# KiCad board RUSP_Mainboard_panelMockup.kicad_pcb (continued)
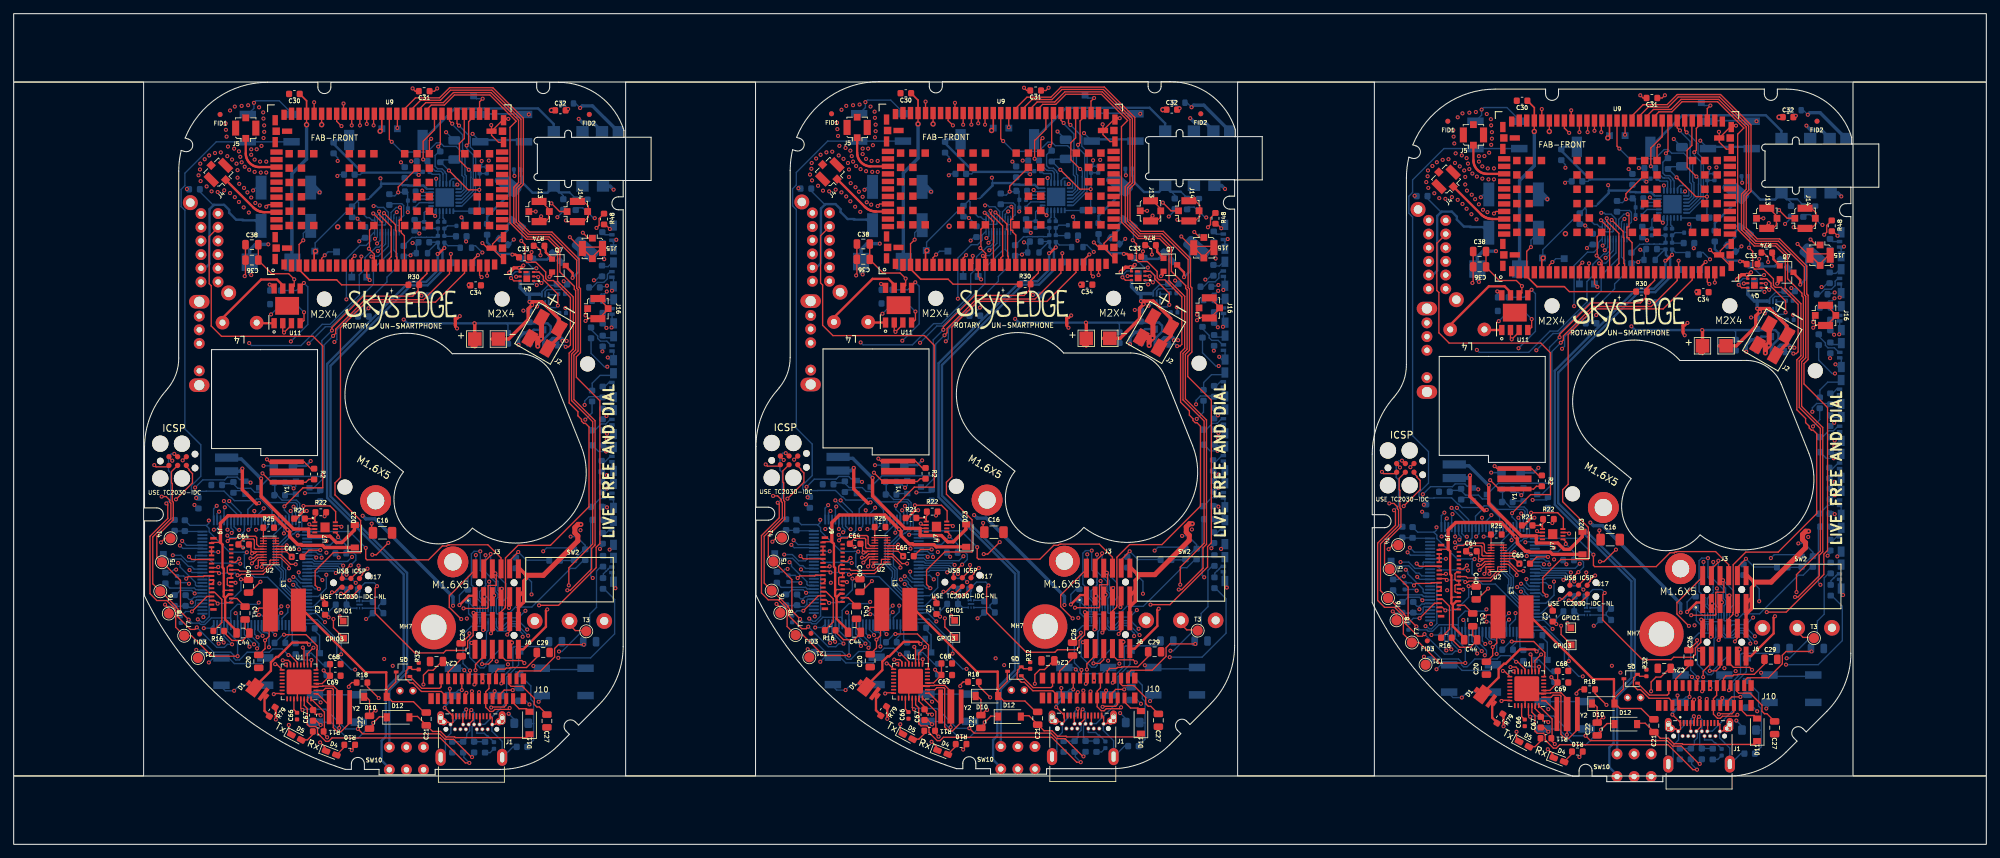
[diagram p0: board, top side]
## Library data of the parts (continued)
C20 C20#2 C20#3 C21 C21#2 C21#3 C22 C22#2 C22#3 = -: Mfg. Name: Samsung; Mfg. Part No.: CL21A475KBQNNNE
C23 C23#2 C23#3 C24 C24#2 C24#3 C25 C25#2 C25#3 C26 C26#2 C26#3 C27 C27#2 C27#3 C28 C28#2 C28#3 C29 C29#2 C29#3 = -: Mfg. Name: Yageo; Mfg. Part No.: CC0805KKX7R9BB105
C30 C30#2 C30#3 = -: Mfg. Name: Murata; Mfg. Part No.: GRM1555C1H680JA01J
C32 C32#2 C32#3 = -: Mfg. Name: Yageo; Mfg. Part No.: CC0402DRNPO9BN8R2
C35 C35#2 C35#3 = -: Mfg. Name: Kemet; Mfg. Part No.: T520D337M006ATE045
C36 C36#2 C36#3 C38 C38#2 C38#3 C40 C40#2 C40#3 = -: Mfg. Name: Kemet; Mfg. Part No.: C0805C105K4RACTU
C37 C37#2 C37#3 = -: Mfg. Name: Wurth; Mfg. Part No.: 865080243007
C41 C41#2 C41#3 C44 C44#2 C44#3 = -: Mfg. Name: Kemet; Mfg. Part No.: C0805C475K3PACTU
C43 C43#2 C43#3 C45 C45#2 C45#3 C51 C51#2 C51#3 C52 C52#2 C52#3 C53 C53#2 C53#3 C55 C55#2 C55#3 C58 C58#2 C58#3 C59 C59#2 C59#3 C66 C66#2 C66#3 = -: Mfg. Name: Kemet; Mfg. Part No.: C0402C105K9PACTU
C50 C50#2 C50#3 C54 C54#2 C54#3 = -: Mfg. Name: Kemet; Mfg. Part No.: C0603C225K9PACTU
D1 D1#2 D1#3 = -: Color: WHITE; Mfg. Name: Osram; Mfg. Part No.: KW DSLP31.CC-GXHX-4J8K-Z444-60-R18
D2 D2#2 D2#3 = -: Color: AMBER; Distrib Part No.: 1830-1066-1-ND; Distrib. Name: DigiKey; Mfg. Name: Inolux; Mfg. Part No.: IN-S63AT5Y
D3 D3#2 D3#3 = -: Distrib Part No.: MBR130T3GOSCT-ND; Distrib. Name: DigiKey; Mfg. Name: ON Semiconductor; Mfg. Part No.: MBR130T3G
D4 D4#2 D4#3 = -: Color: Rx/GREEN; Distrib Part No.: 475-3442-1-ND‎; Distrib. Name: DigiKey; Mfg. Name: OSRAM; Mfg. Part No.: LT Q39G-Q1OO-25-1
D5 D5#2 D5#3 = -: Color: Tx/YELLOW; Distrib Part No.: 1830-1066-1-ND‎; Distrib. Name: DigiKey; Mfg. Name: Inolux; Mfg. Part No.: IN-S63AT5Y
D6 D6#2 D6#3 = -: Color: WHITE
D10 D10#2 D10#3 D11 D11#2 D11#3 D12 D12#2 D12#3 = -: Mfg. Name: ON Semi; Mfg. Part No.: MBR0530
D15 D15#2 D15#3 D16 D16#2 D16#3 D17 D17#2 D17#3 D18 D18#2 D18#3 = -: Mfg. Name: AVX; Mfg. Part No.: USB0001DP
D22 D22#2 D22#3 = -: Alt. Part No.: LTST-C191TBKT; Color: TEAL; Mfg. Name: Rohm; Mfg. Part No.: SMLE13EC8TT86
D23 D23#2 D23#3 = -: Mfg. Name: Nexperia; Mfg. Part No.: PMEG2005EGWJ
D25 D25#2 D25#3 D26 D26#2 D26#3 D27 D27#2 D27#3 D28 D28#2 D28#3 D29 D29#2 D29#3 D30 D30#2 D30#3 D31 D31#2 D31#3 D32 D32#2 D32#3 D33 D33#2 D33#3 D34 D34#2 D34#3 = -: Mfg. Name: Dialight; Mfg. Part No.: 5988560207F
J1 J1#2 J1#3 = -: Mfg. Name: CUI; Mfg. Part No.: UJ31-CH-G1-SMT-TR
J2 J2#2 J2#3 = -: Mfg. Name: AVX; Mfg. Part No.: 009296002202906
J3 J3#2 J3#3 J6 J6#2 J6#3 = -: Mfg. Name: Samtec; Mfg. Part No.: FTSH-106-01-L-DV
J4 J4#2 J4#3 J5 J5#2 J5#3 J13 J13#2 J13#3 J14 J14#2 J14#3 J15 J15#2 J15#3 J16 J16#2 J16#3 = -: Mfg. Name: Molex; Mfg. Part No.: 0734120110
J7 J7#2 J7#3 J17 J17#2 J17#3 = -: Label: ICSP; Mfg. Name: Tag-Connect; Mfg. Part No.: Mating Connector: TC2030-IDC
J8 J8#2 J8#3 = -: Label: TRRS JACK; Mfg. Name: CUI; Mfg. Part No.: SJ-43617-SMT-TR
J9 J9#2 J9#3 = -: Alt. Mfg. Name: or Hirose; Alt. Mfg. Par No.: FH26W-31S-0.3SHW(60); Mfg. Name: Crystalfontz; Mfg. Part No.: CS030Z31G-A0
J10 J10#2 J10#3 = -: Mfg. Name: Molex; Mfg. Part No.: 0525592452
L1 L1#2 L1#3 = -: Distrib Part No.: 240-2390-1-ND; Distrib. Name: DigiKey; Label: Ferrite Bead; Mfg. Name: Laird; Mfg. Part No.: MI0805K601R-10
L2 L2#2 L2#3 = -: Mfg. Name: Wurth; Mfg. Part No.: 74438336047
L3 L3#2 L3#3 = -: Mfg. Name: Wurth; Mfg. Part No.: 744053100
L4 L4#2 L4#3 = -: Mfg. Name: Bourns; Mfg. Part No.: RLB9012-472KL
L5 L5#2 L5#3 L6 L6#2 L6#3 L7 L7#2 L7#3 L8 L8#2 L8#3 = -: Mfg. Name: Murata; Mfg. Part No.: BLM15HD182SN1D
LS1 LS1#2 LS1#3 = -: Mfg. Name: PUI Audio; Mfg. Part No.: AR01232MS-SC12-WP-R
MH7 MH7#2 MH7#3 = -: Mfg. Name: PEM; Mfg. Part No.: SMTSO-M2-3ET
MH9 MH9#2 MH9#3 MH10 MH10#2 MH10#3 = -: Mfg. Name: PEM; Mfg. Part No.: SMTSO-M1.6-1ET
MK1 MK1#2 MK1#3 = -: Mfg. Name: PUI Audio; Mfg. Part No.: POM-2738P-R
Q1 Q1#2 Q1#3 Q2 Q2#2 Q2#3 = -: Mfg. Name: Diodes Incorporated; Mfg. Part No.: DMG2302UK-7
Q3 Q3#2 Q3#3 Q4 Q4#2 Q4#3 = -: Mfg. Name: TI
Q5 Q5#2 Q5#3 = -: Alt. Part No.: NX3020NAKW,115; Mfg. Name: Vishay; Mfg. Part No.: SI1308EDL-T1-GE3
Q6 Q6#2 Q6#3 Q7 Q7#2 Q7#3 = -: Mfg. Name: Fairchild
R2 R2#2 R2#3 = -: Distrib Part No.: 311-1.00MHRCT-ND; Distrib. Name: Digi-Key
R3 R3#2 R3#3 R6 R6#2 R6#3 R7 R7#2 R7#3 = -: Distrib Part No.: RMCF0603JT27R0CT-ND; Distrib. Name: Digi-Key
R4 R4#2 R4#3 R5 R5#2 R5#3 = -: Mfg. Name: Yageo; Mfg. Part No.: RC0402FR-075K1L
R8 R8#2 R8#3 R9 R9#2 R9#3 R10 R10#2 R10#3 R11 R11#2 R11#3 = -: Distrib Part No.: P1.0KGCT-ND; Distrib. Name: Digi-Key
R13 R13#2 R13#3 R35 R35#2 R35#3 R38 R38#2 R38#3 = -: Mfg. Name: Panasonic; Mfg. Part No.: ERJ-2GEJ222X
R14 R14#2 R14#3 = -: Label: Hi Rate; Mfg. Name: Panasonic; Mfg. Part No.: ERJ-2GEJ222X
R15 R15#2 R15#3 = -: Mfg. Name: Panasonic; Mfg. Part No.: ERJ-3GEYJ100V
R17 R17#2 R17#3 R45 R45#2 R45#3 R46 R46#2 R46#3 R47 R47#2 R47#3 R48 R48#2 R48#3 R49 R49#2 R49#3 R50 R50#2 R50#3 R51 R51#2 R51#3 R52 R52#2 R52#3 R53 R53#2 R53#3 R54 R54#2 R54#3 R55 R55#2 R55#3 R56 R56#2 R56#3 R57 R57#2 R57#3 R58 R58#2 R58#3 R59 R59#2 R59#3 R60 R60#2 R60#3 R61 R61#2 R61#3 R62 R62#2 R62#3 R63 R63#2 R63#3 R64 R64#2 R64#3 = -: Distrib Part No.: A130092CT-ND; Distrib. Name: Digi-Key
R32 R32#2 R32#3 = -: Mfg. Name: Panasonic; Mfg. Part No.: ERJ-2BQJR47X; Note: SETS COMPATIBILITY FOR GDEW029I6F
SW1 SW1#2 SW1#3 = -: Distrib Part No.: CKN9561-ND; Distrib. Name: DigiKey; Label: Mode; Mfg. Name: C&K; Mfg. Part No.: OS103011MA7QP1
SW2 SW2#2 SW2#3 = -: Mfg. Name: Omron; Mfg. Part No.: D2F-01FL2-A1
SW3 SW3#2 SW3#3 SW5 SW5#2 SW5#3 SW6 SW6#2 SW6#3 SW8 SW8#2 SW8#3 = -: Label: SIG STRENGTH; Mfg. Name: Panasonic; Mfg. Part No.: EVQ-Q2Y03W
SW4 SW4#2 SW4#3 = -: Label: CLEAR; Mfg. Name: Panasonic; Mfg. Part No.: EVQ-Q2Y03W
SW7 SW7#2 SW7#3 = -: Label: HOOK; Mfg. Name: Panasonic; Mfg. Part No.: EVQ-Q2Y03W
SW9 SW9#2 SW9#3 = -: Mfg. Name: E-Switch; Mfg. Part No.: EG4208
SW10 SW10#2 SW10#3 = -: Mfg. Name: Nidec Copal; Mfg. Part No.: CL-SB-22C-11
U1 U1#2 U1#3 = -: Mfg. Name: ATmega; Mfg. Part No.: ATmega16U2-MU
U2 U2#2 U2#3 U8 U8#2 U8#3 = -: Label: (3.8V -> 3.3V SHIFTER); Mfg. Name: TI; Mfg. Part No.: TXB0108DQSR
U3 U3#2 U3#3 = -: Mfg. Name: TI; Mfg. Part No.: BQ29703DSET
U4 U4#2 U4#3 = -: Distrib Part No.: ATMEGA2560V-8AURCT-ND; Distrib. Name: Digi-Key; Mfg. Name: Microchip Technology; Mfg. Part No.: ATMEGA2560V-8AUR
U5 U5#2 U5#3 = -: Mfg. Name: Microchip; Mfg. Part No.: MCP73831T-2ACI/OT
U6 U6#2 U6#3 = -: Mfg. Name: Microchip; Mfg. Part No.: MIC5528-3.3YMT-TR
U7 U7#2 U7#3 = -: Mfg. Name: Microchip; Mfg. Part No.: MCP1661T-E/MNY
U9 U9#2 U9#3 = -: Mfg. Name: u-blox; Mfg. Part No.: TOBY-R200
U10 U10#2 U10#3 = -: Label: (3.8V -> 1.8V SHIFTER); Mfg. Name: TI; Mfg. Part No.: TXB0108DQSR
U11 U11#2 U11#3 = -: Mfg. Name: Diodes Inc.; Mfg. Part No.: ZXBM5210-SP-13 or BA6287F-E2
U12 U12#2 U12#3 = -: Mfg. Name: Maxim; Mfg. Part No.: MAX9860ETG+
Y1 Y1#2 Y1#3 = -: Distrib Part No.: 535-10004-1-ND; Distrib. Name: Digi-Key; Label: 8MHz; Mfg. Name: Abracon; Mfg. Part No.: AWSCR-8.00CV-T
Y2 Y2#2 Y2#3 = -: Label: 16MHz; Mfg. Part No.: AWSCR-16.00CV-T

## Footprints (pads in the part's own frame, mm; a bottom-side part is the same pattern mirrored in y, then rotated)
ATmega2560_TQFP-100_14x14mm_P0.5mm
  rrect 1.475x0.28 smd: 1(-7.662,6) 2(-7.662,5.5) 3(-7.662,5) 4(-7.662,4.5) 5(-7.662,4) 6(-7.662,3.5) 7(-7.662,3) 8(-7.662,2.5) 9(-7.662,2) 10(-7.662,1.5) 11(-7.662,1) 12(-7.662,0.5) 13(-7.662,0) 14(-7.662,-0.5) 15(-7.662,-1) 16(-7.662,-1.5) 17(-7.662,-2) 18(-7.662,-2.5) 19(-7.662,-3) 20(-7.662,-3.5) 21(-7.662,-4) 22(-7.662,-4.5) 23(-7.662,-5) 24(-7.662,-5.5) 25(-7.662,-6) 51(7.662,-6) 52(7.662,-5.5) 53(7.662,-5) 54(7.662,-4.5) 55(7.662,-4) 56(7.662,-3.5) 57(7.662,-3) 58(7.662,-2.5) 59(7.662,-2) 60(7.662,-1.5) 61(7.662,-1) 62(7.662,-0.5) 63(7.662,0) 64(7.662,0.5) 65(7.662,1) 66(7.662,1.5) 67(7.662,2) 68(7.662,2.5) 69(7.662,3) 70(7.662,3.5) 71(7.662,4) 72(7.662,4.5) 73(7.662,5) 74(7.662,5.5) 75(7.662,6)
  rrect 0.28x1.475 smd: 26(-6,-7.662) 27(-5.5,-7.662) 28(-5,-7.662) 29(-4.5,-7.662) 30(-4,-7.662) 31(-3.5,-7.662) 32(-3,-7.662) 33(-2.5,-7.662) 34(-2,-7.662) 35(-1.5,-7.662) 36(-1,-7.662) 37(-0.5,-7.662) 38(0,-7.662) 39(0.5,-7.662) 40(1,-7.662) 41(1.5,-7.662) 42(2,-7.662) 43(2.5,-7.662) 44(3,-7.662) 45(3.5,-7.662) 46(4,-7.662) 47(4.5,-7.662) 48(5,-7.662) 49(5.5,-7.662) 50(6,-7.662) 76(6,7.662) 77(5.5,7.662) 78(5,7.662) 79(4.5,7.662) 80(4,7.662) 81(3.5,7.662) 82(3,7.662) 83(2.5,7.662) 84(2,7.662) 85(1.5,7.662) 86(1,7.662) 87(0.5,7.662) 88(0,7.662) 89(-0.5,7.662) 90(-1,7.662) 91(-1.5,7.662) 92(-2,7.662) 93(-2.5,7.662) 94(-3,7.662) 95(-3.5,7.662) 96(-4,7.662) 97(-4.5,7.662) 98(-5,7.662) 99(-5.5,7.662) 100(-6,7.662)
AudioJack_TRRS_CUI_SJ-43617-SMT-TR
  rect 1.6x1.6 smd: 1(0.8,4)
  rect 1.8x1.6 smd: 2(10.2,-4) 3(6,-4) 4(3,-4) 10(10.2,4) 11(6,4) 12(3.15,4)
AVX_PokeInConnector
  rect 1.6x2.3 smd: 1(1.5,1.7) 1(1.5,-1.7) 2(-1.5,1.7) 2(-1.5,-1.7)
AWSCR-16.00CV-T
  rect 0.7x5 smd: 1(-1.5,0) 3(1.5,0)
  rect 1x5 smd: 2(0,0)
BoostConverter_MCP1661
  rect 1.46x1.36 smd: (0,0)
  rect 0.28x0.75 smd: 1(-0.75,-1.5) 2(-0.25,-1.5) 3(0.25,-1.5) 4(0.75,-1.5) 5(0.75,1.5) 6(0.25,1.5) 7(-0.25,1.5) 8(-0.75,1.5)
BournsInductor_RLB9012-472KL
  round 2 hole 0.9: 1(-2.5,-0.04) 2(2.5,-0.04)
C_0402_1005Metric
  rrect 0.59x0.64 smd: 1(-0.485,0) 2(0.485,0)
C_0603_1608Metric
  rrect 0.9x0.95 smd: 1(-0.775,0) 2(0.775,0)
C_0805_2012Metric
  rrect 0.975x1.4 smd: 1(-0.938,0) 2(0.938,0)
C_2917
  rect 2.37x2.55 smd: 1(-3.125,0) 2(3.125,0)
Capacitor_Wurth865080243007
  rect 3.5x1.6 smd: 1(2.8,0) 2(-2.8,0)
CellModule_TOBY-L2
  rect 0.8x1.5 smd: 1(-15.4,-10.95) 29(15.4,-10.95) 30(16.7,-10.15) 32(16.7,-6.95) 44(16.7,6.95) 46(16.7,10.15) 47(15.4,10.95) 75(-15.4,10.95) 76(-16.7,10.15) 78(-16.7,6.95) 90(-16.7,-6.95) 92(-16.7,-10.15)
  rect 0.8x1.8 smd: 2(-14.3,-11.1) 3(-13.2,-11.1) 4(-12.1,-11.1) 5(-11,-11.1) 6(-9.9,-11.1) 7(-8.8,-11.1) 8(-7.7,-11.1) 9(-6.6,-11.1) 10(-5.5,-11.1) 11(-4.4,-11.1) 12(-3.3,-11.1) 13(-2.2,-11.1) 14(-1.1,-11.1) 15(0,-11.1) 16(1.1,-11.1) 17(2.2,-11.1) 18(3.3,-11.1) 19(4.4,-11.1) 20(5.5,-11.1) 21(6.6,-11.1) 22(7.7,-11.1) 23(8.8,-11.1) 24(9.9,-11.1) 25(11,-11.1) 26(12.1,-11.1) 27(13.2,-11.1) 28(14.3,-11.1) 48(14.3,11.1) 49(13.2,11.1) 50(12.1,11.1) 51(11,11.1) 52(9.9,11.1) 53(8.8,11.1) 54(7.7,11.1) 55(6.6,11.1) 56(5.5,11.1) 57(4.4,11.1) 58(3.3,11.1) 59(2.2,11.1) 60(1.1,11.1) 61(0,11.1) 62(-1.1,11.1) 63(-2.2,11.1) 64(-3.3,11.1) 65(-4.4,11.1) 66(-5.5,11.1) 67(-6.6,11.1) 68(-7.7,11.1) 69(-8.8,11.1) 70(-9.9,11.1) 71(-11,11.1) 72(-12.1,11.1) 73(-13.2,11.1) 74(-14.3,11.1)
  rect 1.1x1.1 smd: 31(16.55,-8.55) 45(16.55,8.55) 77(-16.55,8.55) 91(-16.55,-8.55) 94(-14.65,-5.25) 95(-14.65,-3.15) 96(-14.65,-1.05) 97(-14.65,1.05) 98(-14.65,3.15) 99(-14.65,5.25) 101(-12.85,-5.25) 102(-12.85,-3.15) 103(-12.85,-1.05) 104(-12.85,1.05) 105(-12.85,3.15) 106(-12.85,5.25) 107(-11.05,-5.25) 108(-11.05,5.25) 109(-5.85,-5.25) 110(-5.85,-3.15) 111(-5.85,-1.05) 112(-5.85,1.05) 113(-5.85,3.15) 114(-5.85,5.25) 115(-4.05,-5.25) 116(-4.05,-3.15) 117(-4.05,-1.05) 118(-4.05,1.05) 119(-4.05,3.15) 120(-4.05,5.25) 121(-2.25,-5.25) 122(-2.25,5.25) 123(2.25,-5.25) 124(2.25,5.25) 125(4.05,-5.25) 126(4.05,-3.15) 127(4.05,-1.05) 128(4.05,1.05) 129(4.05,3.15) 130(4.05,5.25) 131(5.85,-5.25) 132(5.85,-3.15) 133(5.85,-1.05) 134(5.85,1.05) 135(5.85,3.15) 136(5.85,5.25) 137(11.05,-5.25) 138(11.05,5.25) 139(12.85,-5.25) 140(12.85,-3.15) 141(12.85,-1.05) 142(12.85,1.05) 143(12.85,3.15) 144(12.85,5.25) 146(14.65,-5.25) 147(14.65,-3.15) 148(14.65,-1.05) 149(14.65,1.05) 150(14.65,3.15) 151(14.65,5.25)
  rect 1.8x0.8 smd: 33(16.5,-5.5) 34(16.5,-4.4) 35(16.5,-3.3) 36(16.5,-2.2) 37(16.5,-1.1) 38(16.5,0) 39(16.5,1.1) 40(16.5,2.2) 41(16.5,3.3) 42(16.5,4.4) 43(16.5,5.5) 79(-16.5,5.5) 80(-16.5,4.4) 81(-16.5,3.3) 82(-16.5,2.2) 83(-16.5,1.1) 84(-16.5,0) 85(-16.5,-1.1) 86(-16.5,-2.2) 87(-16.5,-3.3) 88(-16.5,-4.4) 89(-16.5,-5.5)
  rect 1.5x0.8 smd: 93(-14.95,-8.55) 100(-14.95,8.55) 145(14.95,-8.55) 152(14.95,8.55)
D_SOD-123
  rect 0.9x1.2 smd: 1(-1.65,0) 2(1.65,0)
Fiducial_0.75mm_Dia_1.5mm_Outer
  round 0.75 smd: ~(0,0)
FilamentLED_20mm
  rrect 4x2 smd: 1(-6.7,0) 2(8,0)
Hirose_FPC_FH26W-31S-0.3SHW(60)
  rect 0.4x0.95 smd: (-5.5,-1.025) (4.9,-1.025)
  rect 0.3x0.8 smd: 1(4.2,-1.3) 3(3.6,-1.3) 5(3,-1.3) 7(2.4,-1.3) 9(1.8,-1.3) 11(1.2,-1.3) 13(0.6,-1.3) 15(0,-1.3) 17(-0.6,-1.3) 19(-1.2,-1.3) 21(-1.8,-1.3) 23(-2.4,-1.3) 25(-3,-1.3) 27(-3.6,-1.3) 29(-4.2,-1.3) 31(-4.8,-1.3)
  rect 0.3x0.65 smd: 2(3.9,1.575) 4(3.3,1.575) 6(2.7,1.575) 8(2.1,1.575) 10(1.5,1.575) 12(0.9,1.575) 14(0.3,1.575) 16(-0.3,1.575) 18(-0.9,1.575) 20(-1.5,1.575) 22(-2.1,1.575) 24(-2.7,1.575) 26(-3.3,1.575) 28(-3.9,1.575) 30(-4.5,1.575)
Inductor10uH_Wurth_744053100
  rect 6.3x2.2 smd: 1(0,-2.05) 2(0,2.05)
Inductor_Wurth_74438336100
  rect 1.2x3.4 smd: 1(-1,0) 2(1,0)
L_0402_1005Metric
  rrect 0.59x0.64 smd: 1(-0.485,0) 2(0.485,0)
LDO_MIC5528
  rect 0.94x0.25 smd: (0,0)
  rect 0.18x0.35 smd: 1(-0.4,-0.525) 2(0,-0.525) 3(0.4,-0.525) 4(0.4,0.525) 5(0,0.525) 6(-0.4,0.525)
LED_0603_1608Metric_Castellated
  rrect 1.225x0.85 smd: 1(-0.812,0) 2(0.812,0)
LED_Dialight_5988560207F
  rect 0.5x0.8 smd: 1(0.4,0) 2(-0.4,0)
  rect 1.5x1 smd: 3(1.75,0.23) 4(-1.75,0.23)
LimitSwitch_D2F-01FL2-A1
  round 2.3 hole 1.2: 1(5.08,-4.3) 2(0,-4.3) 3(-5.08,-4.3)
Microphone_PUI_POM-2738P-R
  round 1.1 hole 0.55: 1(-0.95,0.8) 2(0.95,0.8)
Molex_24pFPC_Vert_0525592452
  rect 0.8x1.6 smd: (-6.5,1.45) (-6.5,-1.45) (7,1.45) (7,-1.45)
  rect 0.6x1.6 smd: 1(-5.5,-1.45) 2(-5,1.45) 3(-4.5,-1.45) 4(-4,1.45) 5(-3.5,-1.45) 6(-3,1.45) 7(-2.5,-1.45) 8(-2,1.45) 9(-1.5,-1.45) 10(-1,1.45) 11(-0.5,-1.45) 12(0,1.45) 13(0.5,-1.45) 14(1,1.45) 15(1.5,-1.45) 16(2,1.45) 17(2.5,-1.45) 18(3,1.45) 19(3.5,-1.45) 20(4,1.45) 21(4.5,-1.45) 22(5,1.45) 23(5.5,-1.45) 24(6,1.45)
MountingHole_2.2mm_M2
  round 2.2 hole 2.2 unplated: (0,0)
NetTie-2_SMD_Pad0.5mm
  round 0.5 smd: 1(-0.5,0) 2(0.5,0)
Osram_1212
  rect 0.8x0.5 smd: 1(0,1.625) 2(0,-1.65)
  rect 2.4x1.75 smd: 1(0,0.5)
  rect 2.15x0.6 smd: 2(0,-1.1)
QFN-32-1EP_5x5mm_P0.5mm_EP3.65x3.65mm
  rrect 0.98x0.98 smd: (-1.22,1.22) (-1.22,0) (-1.22,-1.22) (0,1.22) (0,0) (0,-1.22) (1.22,1.22) (1.22,0) (1.22,-1.22)
  rrect 0.75x0.25 smd: 1(-2.475,1.75) 2(-2.475,1.25) 3(-2.475,0.75) 4(-2.475,0.25) 5(-2.475,-0.25) 6(-2.475,-0.75) 7(-2.475,-1.25) 8(-2.475,-1.75) 17(2.475,-1.75) 18(2.475,-1.25) 19(2.475,-0.75) 20(2.475,-0.25) 21(2.475,0.25) 22(2.475,0.75) 23(2.475,1.25) 24(2.475,1.75)
  rrect 0.25x0.75 smd: 9(-1.75,-2.475) 10(-1.25,-2.475) 11(-0.75,-2.475) 12(-0.25,-2.475) 13(0.25,-2.475) 14(0.75,-2.475) 15(1.25,-2.475) 16(1.75,-2.475) 25(1.75,2.475) 26(1.25,2.475) 27(0.75,2.475) 28(0.25,2.475) 29(-0.25,2.475) 30(-0.75,2.475) 31(-1.25,2.475) 32(-1.75,2.475)
  rrect 3.65x3.65 smd: 33(0,0)
R_0402_1005Metric
  rrect 0.59x0.64 smd: 1(-0.485,0) 2(0.485,0)
R_0603_1608Metric
  rrect 0.875x0.95 smd: 1(-0.787,0) 2(0.787,0)
R_0603_1608Metric#2
  rrect 0.8x0.95 smd: 1(-0.825,0) 2(0.825,0)
R_0805_2012Metric_Pad1.15x1.40mm_HandSolder
  rrect 1.15x1.4 smd: 1(-1.025,0) 2(1.025,0)
R_1206_3216Metric
  rrect 1.25x1.75 smd: 1(-1.4,0) 2(1.4,0)
Samtec_2x6Header_FTSH-106-01-L-DV
  round 1.02 hole 1.02 unplated: (-2.54,0) (2.54,0)
  rect 0.74x2.79 smd: 1(-3.175,-2.035) 2(-3.175,2.035) 3(-1.905,-2.035) 4(-1.905,2.035) 5(-0.635,-2.035) 6(-0.635,2.035) 7(0.635,-2.035) 8(0.635,2.035) 9(1.905,-2.035) 10(1.905,2.035) 11(3.175,-2.035) 12(3.175,2.035)
SMTSO-M1.6-1ET
  round 4.5 hole 2.5: 1(0,0.05) 1(0,0.05)
SMTSO-M2-3ET
  round 6.5 hole 3.73: 1(0,0)
SO-8EP
  rect 0.8x1.5 smd: 1(-1.905,-2.54) 2(-0.635,-2.54) 3(0.635,-2.54) 4(1.905,-2.54) 5(1.905,2.54) 6(0.635,2.54) 7(-0.635,2.54) 8(-1.905,2.54)
  rect 3.5x2.61 smd: 9(0,0)
SOT-23
  rect 0.9x0.8 smd: 1(-1,0.95) 2(-1,-0.95) 3(1,0)
SOT-23-5
  rect 1.06x0.65 smd: 1(-1.1,0.95) 2(-1.1,0) 3(-1.1,-0.95) 4(1.1,-0.95) 5(1.1,0.95)
SOT-323_SC-70
  rect 0.7x0.45 smd: 1(-1,0.65) 2(-1,-0.65) 3(1,0)
SP3T_OS103011MA7QP1
  oval 2x3 hole 1.5: (-6.1,0) (6.1,0)
  round 1.6 hole 0.8: 1(-4,0) 2(0,0) 3(2,0) 4(4,0)
Speaker_PUI_AR01232MS-SC12-WP-R
  rect 1.5x3 smd: 1(-5.375,-2.25) 2(5.375,-2.25)
Switch_4PDT_ESwitch-EG4208
  round 2.2 hole 1.25: (-6.6,2.8) (6.6,-2.8)
  round 1.6 hole 0.8: 1(-5,1.25) 2(-3,1.25) 3(-1,1.25) 4(1,1.25) 5(3,1.25) 6(5,1.25) 7(-5,-1.25) 8(-3,-1.25) 9(-1,-1.25) 10(1,-1.25) 11(3,-1.25) 12(5,-1.25)
Switch_DPDT_Nidec_CL-SB-22C-XX
  round 1.6 hole 0.8: 1(-2.5,-1.65) 2(0,-1.65) 3(2.5,-1.65) 4(-2.5,1.65) 5(0,1.65) 6(2.5,1.65)
TactileSwitch_Panasonic_EVQ-Q2Y03W
  rect 2.4x1.1 smd: 1(-3.2,2) 1(3.2,2) 2(-3.2,-2) 2(3.2,-2)
Tag-Connect_TC2030-IDC
  round 2.375 hole 2.375 unplated: (0,2.54) (0,-2.54) (3.175,2.54) (3.175,-2.54)
  round 0.991 hole 0.991 unplated: (0,0) (5.08,1.016) (5.08,-1.016)
  round 0.787 smd: 1(1.27,-0.635) 2(1.27,0.635) 3(2.54,-0.635) 4(2.54,0.635) 5(3.81,-0.635) 6(3.81,0.635)
Tag-Connect_TC2030-IDC_MINIMAL
  round 0.991 hole 0.991 unplated: (-2.4,0) (2.68,1.016) (2.68,-1.016)
  round 0.787 smd: 1(-1.13,-0.635) 2(-1.13,0.635) 3(0.14,-0.635) 4(0.14,0.635) 5(1.41,-0.635) 6(1.41,0.635)
TestPoint_Pad_1.0x1.0mm
  rect 1x1 smd: 1(0,0)
TestPoint_Pad_2.0x2.0mm
  rect 2x2 smd: 1(0,0)
TestPoint_Pad_D1.5mm
  round 1.5 smd: 1(0,0)
TI_CSD16301Q2
  rect 0.45x0.3 smd: 1(-0.975,0.65) 2(-0.975,0) 3(-0.975,-0.65) 4(0.975,-0.65) 5(0.975,0) 6(0.975,0.65)
  rect 0.3x0.3 smd: 7(0.095,-0.65)
  rect 1x0.95 smd: 8(0,0.325)
TXB0108_USON-20_2x4mm_P0.4mm
  rect 1.1x0.18 smd: 1(-0.85,1.8)
  rect 1x0.18 smd: 2(-0.9,1.4) 3(-0.9,1) 4(-0.9,0.6) 5(-0.9,0.2) 6(-0.9,-0.2) 7(-0.9,-0.6) 8(-0.9,-1) 9(-0.9,-1.4) 10(-0.9,-1.8) 11(0.9,-1.8) 12(0.9,-1.4) 13(0.9,-1) 14(0.9,-0.6) 15(0.9,-0.2) 16(0.9,0.2) 17(0.9,0.6) 18(0.9,1) 19(0.9,1.4) 20(0.9,1.8)
U.FL_Molex_MCRF_73412-0110_Vertical
  rect 1x1 smd: 1(0,-1.5) 2(0,1.5)
  rect 1.05x2.2 smd: 2(-1.475,0) 2(1.475,0)
USBC_CUI_UJ31-CH-G1-SMT-TR
  round 0.7 hole 0.7 unplated: (-3.725,2.595) (3.725,2.595)
  rect 0.28x0.89 smd: A1(-2.75,4.5) A2(-2.25,4.5) A3(-1.75,4.5) A4(-1.25,4.5) A5(-0.75,4.5) A6(-0.25,4.5) A7(0.25,4.5) A8(0.75,4.5) A9(1.25,4.5) A10(1.75,4.5) A11(2.25,4.5) A12(2.75,4.5)
  round 0.6 hole 0.4: B1(3.05,3.295) B2(2.4,2.595) B3(1.6,2.595) B4(1.2,3.295) B5(0.8,2.595) B6(0.4,3.295) B7(-0.4,3.295) B8(-0.8,2.595) B9(-1.2,3.295) B10(-1.6,2.595) B11(-2.4,2.595) B12(-3.05,3.295)
  oval 1x2 hole 0.6: S1(-4.5,4.245) S1(4.5,4.245)
  oval 1.5x2.5 hole 0.6x1.5: S1(-4.5,-1.505) S1(4.5,-1.505)
  round 1.1 hole 0.5: S1(-4.05,3.695) S1(4.05,3.695)
WQFN-24-1EP_4x4mm_P0.5mm_EP2.7x2.7mm
  rect 1.1x1.1 smd: (-0.7,-0.7) (-0.7,0.7) (0.7,-0.7) (0.7,0.7)
  custom 0.85x0.28 smd: 1(-1.69,1.25) 2(-1.69,0.75) 3(-1.69,0.25) 4(-1.69,-0.25) 5(-1.69,-0.75) 6(-1.69,-1.25) 13(1.69,-1.25) 14(1.69,-0.75) 15(1.69,-0.25) 16(1.69,0.25) 17(1.69,0.75) 18(1.69,1.25)
  custom 0.28x0.85 smd: 7(-1.25,-1.69) 8(-0.75,-1.69) 9(-0.25,-1.69) 10(0.25,-1.69) 11(0.75,-1.69) 12(1.25,-1.69) 19(1.25,1.69) 20(0.75,1.69) 21(0.25,1.69) 22(-0.25,1.69) 23(-0.75,1.69) 24(-1.25,1.69)
  rect 2.7x2.7 smd: 25(0,0)
WSON-6_1.5x1.5mm_P0.5mm
  rect 0.85x0.28 smd: 1(-0.525,0.5)
  rect 0.75x0.28 smd: 2(-0.575,0) 3(-0.575,-0.5) 4(0.575,-0.5) 5(0.575,0) 6(0.575,0.5)

## Nets
+1V8: C39.1 C39#2.1 C39#3.1 C56.1 C56#2.1 C56#3.1 C57.1 C57#2.1 C57#3.1 C58.1 C58#2.1 C58#3.1 C59.1 C59#2.1 C59#3.1 J6.11 J6#2.11 J6#3.11 R36.1 R36#2.1 R36#3.1 R37.1 R37#2.1 R37#3.1 R39.1 R39#2.1 R39#3.1 T12.1 T12#2.1 T12#3.1 U9.5 U9#2.5 U9#3.5 U10.1 U10.5 U10#2.1 U10#2.5 U10#3.1 U10#3.5 U12.6 U12.11 U12.13 U12#2.6 U12#2.11 U12#2.13 U12#3.6 U12#3.11 U12#3.13
+3V3: C19.1 C19#2.1 C19#3.1 C20.2 C20#2.2 C20#3.2 C43.2 C43#2.2 C43#3.2 C65.1 C65#2.1 C65#3.1 C72.2 C72#2.2 C72#3.2 J6.2 J6#2.2 J6#3.2 J9.12 J9.15 J9#2.12 J9#2.15 J9#3.12 J9#3.15 J10.15 J10.16 J10#2.15 J10#2.16 J10#3.15 J10#3.16 L3.1 L3#2.1 L3#3.1 U2.5 U2#2.5 U2#3.5 U6.1 U6.2 U6#2.1 U6#2.2 U6#3.1 U6#3.2 U8.5 U8#2.5 U8#3.5
+3V8: C3.1 C3#2.1 C3#3.1 C4.1 C4#2.1 C4#3.1 C5.1 C5#2.1 C5#3.1 C6.1 C6#2.1 C6#3.1 C15.2 C15#2.2 C15#3.2 C16.1 C16#2.1 C16#3.1 C18.1 C18#2.1 C18#3.1 C30.1 C30#2.1 C30#3.1 C31.1 C31#2.1 C31#3.1 C32.1 C32#2.1 C32#3.1 C33.1 C33#2.1 C33#3.1 C34.1 C34#2.1 C34#3.1 C35.1 C35#2.1 C35#3.1 C42.1 C42#2.1 C42#3.1 C64.1 C64#2.1 C64#3.1 C68.1 C68#2.1 C68#3.1 C69.1 C69#2.1 C69#3.1 J3.2 J3.3 J3#2.2 J3#2.3 J3#3.2 J3#3.3 J7.2 J7#2.2 J7#3.2 J17.2 J17#2.2 J17#3.2 L2.1 L2#2.1 L2#3.1 R1.2 R1#2.2 R1#3.2 R10.1 R10#2.1 R10#3.1 R11.1 R11#2.1 R11#3.1 R15.2 R15#2.2 R15#3.2 R18.2 R18#2.2 R18#3.2 R26.1 R26#2.1 R26#3.1 R27.1 R27#2.1 R27#3.1 R79.2 R79#2.2 R79#3.2 T4.1 T4#2.1 T4#3.1 U1.4 U1.32 U1#2.4 U1#2.32 U1#3.4 U1#3.32 U2.16 U2#2.16 U2#3.16 U4.10 U4.31 U4.61 U4.80 U4.100 U4#2.10 U4#2.31 U4#2.61 U4#2.80 U4#2.100 U4#3.10 U4#3.31 U4#3.61 U4#3.80 U4#3.100 U6.6 U6#2.6 U6#3.6 U7.5 U7#2.5 U7#3.5 U8.16 U8#2.16 U8#3.16 U9.70 U9.71 U9.72 U9#2.70 U9#2.71 U9#2.72 U9#3.70 U9#3.71 U9#3.72 U10.16 U10#2.16 U10#3.16
+12V: C17.1 C17#2.1 C17#3.1 C36.1 C36#2.1 C36#3.1 C38.2 C38#2.2 C38#3.2 C44.1 C44#2.1 C44#3.1 D23.1 D23#2.1 D23#3.1 J9.2 J9.6 J9.8 J9.31 J9#2.2 J9#2.6 J9#2.8 J9#2.31 J9#3.2 J9#3.6 J9#3.8 J9#3.31 R21.1 R21#2.1 R21#3.1 U11.2 U11.3 U11.6 U11#2.2 U11#2.3 U11#2.6 U11#3.2 U11#3.3 U11#3.6
/3v3_EN: R19.2 R19#2.2 R19#3.2 U4.56 U4#2.56 U4#3.56
/12v_EN: U4.57 U4#2.57 U4#3.57 U7.8 U7#2.8 U7#3.8
/EPAPER DRIVER/VDD: C29.1 C29#2.1 C29#3.1 J10.18 J10#2.18 J10#3.18
GND: C1.2 C1#2.2 C1#3.2 C2.2 C2#2.2 C2#3.2 C3.2 C3#2.2 C3#3.2 C4.2 C4#2.2 C4#3.2 C5.2 C5#2.2 C5#3.2 C6.2 C6#2.2 C6#3.2 C7.2 C7#2.2 C7#3.2 C8.2 C8#2.2 C8#3.2 C9.2 C9#2.2 C9#3.2 C12.2 C12#2.2 C12#3.2 C13.1 C13#2.1 C13#3.1 C14.2 C14#2.2 C14#3.2 C15.1 C15#2.1 C15#3.1 C16.2 C16#2.2 C16#3.2 C17.2 C17#2.2 C17#3.2 C18.2 C18#2.2 C18#3.2 C19.2 C19#2.2 C19#3.2 C20.1 C20#2.1 C20#3.1 C22.1 C22#2.1 C22#3.1 C23.2 C23#2.2 C23#3.2 C24.2 C24#2.2 C24#3.2 C25.2 C25#2.2 C25#3.2 C26.2 C26#2.2 C26#3.2 C27.2 C27#2.2 C27#3.2 C28.2 C28#2.2 C28#3.2 C29.2 C29#2.2 C29#3.2 C36.2 C36#2.2 C36#3.2 C38.1 C38#2.1 C38#3.1 C40.2 C40#2.2 C40#3.2 C41.2 C41#2.2 C41#3.2 C43.1 C43#2.1 C43#3.1 C44.2 C44#2.2 C44#3.2 C45.1 C45#2.1 C45#3.1 C56.2 C56#2.2 C56#3.2 C57.2 C57#2.2 C57#3.2 C58.2 C58#2.2 C58#3.2 C59.2 C59#2.2 C59#3.2 C64.2 C64#2.2 C64#3.2 C65.2 C65#2.2 C65#3.2 C66.2 C66#2.2 C66#3.2 C67.2 C67#2.2 C67#3.2 C68.2 C68#2.2 C68#3.2 C69.2 C69#2.2 C69#3.2 C72.1 C72#2.1 C72#3.1 D12.1 D12#2.1 D12#3.1 D22.1 D22#2.1 D22#3.1 D25.2 D25.4 D25#2.2 D25#2.4 D25#3.2 D25#3.4 D26.2 D26.4 D26#2.2 D26#2.4 D26#3.2 D26#3.4 D27.2 D27.4 D27#2.2 D27#2.4 D27#3.2 D27#3.4 D28.2 D28.4 D28#2.2 D28#2.4 D28#3.2 D28#3.4 D29.2 D29.4 D29#2.2 D29#2.4 D29#3.2 D29#3.4 D30.2 D30.4 D30#2.2 D30#2.4 D30#3.2 D30#3.4 D31.2 D31.4 D31#2.2 D31#2.4 D31#3.2 D31#3.4 D32.2 D32.4 D32#2.2 D32#2.4 D32#3.2 D32#3.4 D33.2 D33.4 D33#2.2 D33#2.4 D33#3.2 D33#3.4 D34.2 D34.4 D34#2.2 D34#2.4 D34#3.2 D34#3.4 J1.A1 J1.A12 J1.B1 J1.B12 J1.S1 J1#2.A1 J1#2.A12 J1#2.B1 J1#2.B12 J1#2.S1 J1#3.A1 J1#3.A12 J1#3.B1 J1#3.B12 J1#3.S1 J3.1 J3.10 J3#2.1 J3#2.10 J3#3.1 J3#3.10 J6.1 J6#2.1 J6#3.1 J7.6 J7#2.6 J7#3.6 J9.10 J9.11 J9.13 J9.14 J9.16 J9.20 J9.21 J9.24 J9.25 J9.26 J9.27 J9.28 J9.29 J9#2.10 J9#2.11 J9#2.13 J9#2.14 J9#2.16 J9#2.20 J9#2.21 J9#2.24 J9#2.25 J9#2.26 J9#2.27 J9#2.28 J9#2.29 J9#3.10 J9#3.11 J9#3.13 J9#3.14 J9#3.16 J9#3.20 J9#3.21 J9#3.24 J9#3.25 J9#3.26 J9#3.27 J9#3.28 J9#3.29 J10.8 J10.17 J10#2.8 J10#2.17 J10#3.8 J10#3.17 J17.6 J17#2.6 J17#3.6 NT2.1 NT2#2.1 NT2#3.1 Q1.2 Q1#2.2 Q1#3.2 Q2.2 Q2#2.2 Q2#3.2 Q4.4 Q4#2.4 Q4#3.4 Q6.2 Q6#2.2 Q6#3.2 Q7.2 Q7#2.2 Q7#3.2 R4.2 R4#2.2 R4#3.2 R5.2 R5#2.2 R5#3.2 R13.1 R13#2.1 R13#3.1 R14.1 R14#2.1 R14#3.1 R16.2 R16#2.2 R16#3.2 R22.2 R22#2.2 R22#3.2 R23.2 R23#2.2 R23#3.2 R24.2 R24#2.2 R24#3.2 R25.2 R25#2.2 R25#3.2 R28.2 R28#2.2 R28#3.2 R32.2 R32#2.2 R32#3.2 R34.2 R34#2.2 R34#3.2 R41.2 R41#2.2 R41#3.2 R73.1 R73#2.1 R73#3.1 R75.2 R75#2.2 R75#3.2 SW1.2 SW1#2.2 SW1#3.2 SW2.1 SW2#2.1 SW2#3.1 SW3.2 SW3#2.2 SW3#3.2 SW4.2 SW4#2.2 SW4#3.2 SW5.2 SW5#2.2 SW5#3.2 SW6.2 SW6#2.2 SW6#3.2 SW7.2 SW7#2.2 SW7#3.2 SW8.2 SW8#2.2 SW8#3.2 SW9.9 SW9#2.9 SW9#3.9 T21.1 T21#2.1 T21#3.1 U1.3 U1.28 U1.33 U1#2.3 U1#2.28 U1#2.33 U1#3.3 U1#3.28 U1#3.33 U2.15 U2#2.15 U2#3.15 U4.11 U4.32 U4.62 U4.81 U4.99 U4#2.11 U4#2.32 U4#2.62 U4#2.81 U4#2.99 U4#3.11 U4#3.32 U4#3.62 U4#3.81 U4#3.99 U5.2 U5#2.2 U5#3.2 U6.3 U6#2.3 U6#3.3 U7.2 U7.7 U7#2.2 U7#2.7 U7#3.2 U7#3.7 U8.15 U8#2.15 U8#3.15 U11.8 U11#2.8 U11#3.8 U12.12 U12#2.12 U12#3.12 Y1.2 Y1#2.2 Y1#3.2 Y2.2 Y2#2.2 Y2#3.2
GNDA: C30.2 C30#2.2 C30#3.2 C31.2 C31#2.2 C31#3.2 C32.2 C32#2.2 C32#3.2 C33.2 C33#2.2 C33#3.2 C34.2 C34#2.2 C34#3.2 C35.2 C35#2.2 C35#3.2 C37.2 C37#2.2 C37#3.2 C39.2 C39#2.2 C39#3.2 C42.2 C42#2.2 C42#3.2 C46.2 C46#2.2 C46#3.2 C47.2 C47#2.2 C47#3.2 C48.2 C48#2.2 C48#3.2 C49.2 C49#2.2 C49#3.2 C50.2 C50#2.2 C50#3.2 C53.2 C53#2.2 C53#3.2 C54.2 C54#2.2 C54#3.2 C55.2 C55#2.2 C55#3.2 C60.2 C60#2.2 C60#3.2 C61.2 C61#2.2 C61#3.2 C62.2 C62#2.2 C62#3.2 C63.2 C63#2.2 C63#3.2 D15.2 D15#2.2 D15#3.2 D16.2 D16#2.2 D16#3.2 D17.2 D17#2.2 D17#3.2 D18.2 D18#2.2 D18#3.2 J4.2 J4#2.2 J4#3.2 J5.2 J5#2.2 J5#3.2 NT2.2 NT2#2.2 NT2#3.2 R33.2 R33#2.2 R33#3.2 R35.2 R35#2.2 R35#3.2 T20.1 T20#2.1 T20#3.1 U9.2 U9.6 U9.13 U9.30 U9.32 U9.44 U9.46 U9.69 U9.73 U9.74 U9.76 U9.78 U9.79 U9.80 U9.82 U9.83 U9.85 U9.86 U9.88 U9.89 U9.90 U9.92 U9.93 U9.94 U9.95 U9.96 U9.97 U9.98 U9.99 U9.100 U9.101 U9.102 U9.103 U9.104 U9.105 U9.106 U9.107 U9.108 U9.109 U9.110 U9.111 U9.112 U9.113 U9.114 U9.115 U9.116 U9.117 U9.118 U9.119 U9.120 U9.121 U9.122 U9.123 U9.124 U9.125 U9.126 U9.127 U9.128 U9.129 U9.130 U9.131 U9.132 U9.133 U9.134 U9.135 U9.136 U9.137 U9.138 U9.139 U9.140 U9.141 U9.142 U9.143 U9.144 U9.145 U9.146 U9.147 U9.148 U9.149 U9.150 U9.151 U9.152 U9#2.2 U9#2.6 U9#2.13 U9#2.30 U9#2.32 U9#2.44 U9#2.46 U9#2.69 U9#2.73 U9#2.74 U9#2.76 U9#2.78 U9#2.79 U9#2.80 U9#2.82 U9#2.83 U9#2.85 U9#2.86 U9#2.88 U9#2.89 U9#2.90 U9#2.92 U9#2.93 U9#2.94 U9#2.95 U9#2.96 U9#2.97 U9#2.98 U9#2.99 U9#2.100 U9#2.101 U9#2.102 U9#2.103 U9#2.104 U9#2.105 U9#2.106 U9#2.107 U9#2.108 U9#2.109 U9#2.110 U9#2.111 U9#2.112 U9#2.113 U9#2.114 U9#2.115 U9#2.116 U9#2.117 U9#2.118 U9#2.119 U9#2.120 U9#2.121 U9#2.122 U9#2.123 U9#2.124 U9#2.125 U9#2.126 U9#2.127 U9#2.128 U9#2.129 U9#2.130 U9#2.131 U9#2.132 U9#2.133 U9#2.134 U9#2.135 U9#2.136 U9#2.137 U9#2.138 U9#2.139 U9#2.140 U9#2.141 U9#2.142 U9#2.143 U9#2.144 U9#2.145 U9#2.146 U9#2.147 U9#2.148 U9#2.149 U9#2.150 U9#2.151 U9#2.152 U9#3.2 U9#3.6 U9#3.13 U9#3.30 U9#3.32 U9#3.44 U9#3.46 U9#3.69 U9#3.73 U9#3.74 U9#3.76 U9#3.78 U9#3.79 U9#3.80 U9#3.82 U9#3.83 U9#3.85 U9#3.86 U9#3.88 U9#3.89 U9#3.90 U9#3.92 U9#3.93 U9#3.94 U9#3.95 U9#3.96 U9#3.97 U9#3.98 U9#3.99 U9#3.100 U9#3.101 U9#3.102 U9#3.103 U9#3.104 U9#3.105 U9#3.106 U9#3.107 U9#3.108 U9#3.109 U9#3.110 U9#3.111 U9#3.112 U9#3.113 U9#3.114 U9#3.115 U9#3.116 U9#3.117 U9#3.118 U9#3.119 U9#3.120 U9#3.121 U9#3.122 U9#3.123 U9#3.124 U9#3.125 U9#3.126 U9#3.127 U9#3.128 U9#3.129 U9#3.130 U9#3.131 U9#3.132 U9#3.133 U9#3.134 U9#3.135 U9#3.136 U9#3.137 U9#3.138 U9#3.139 U9#3.140 U9#3.141 U9#3.142 U9#3.143 U9#3.144 U9#3.145 U9#3.146 U9#3.147 U9#3.148 U9#3.149 U9#3.150 U9#3.151 U9#3.152 U10.15 U10#2.15 U10#3.15 U12.5 U12.24 U12#2.5 U12#2.24 U12#3.5 U12#3.24